# Altium PCB GND_Studio_PCB.PcbDoc (part 2 of 2)
Units mm, origin at the board's own origin, x right, y up, seen from the top; angles counter-clockwise.
Board outline 152.4 x 101.6 mm, 2 copper layers (Top Layer, Bottom Layer); 74 components, 140 nets, 477 pads, 95 vias.
Unrouted connection lines stored in the file: 3.
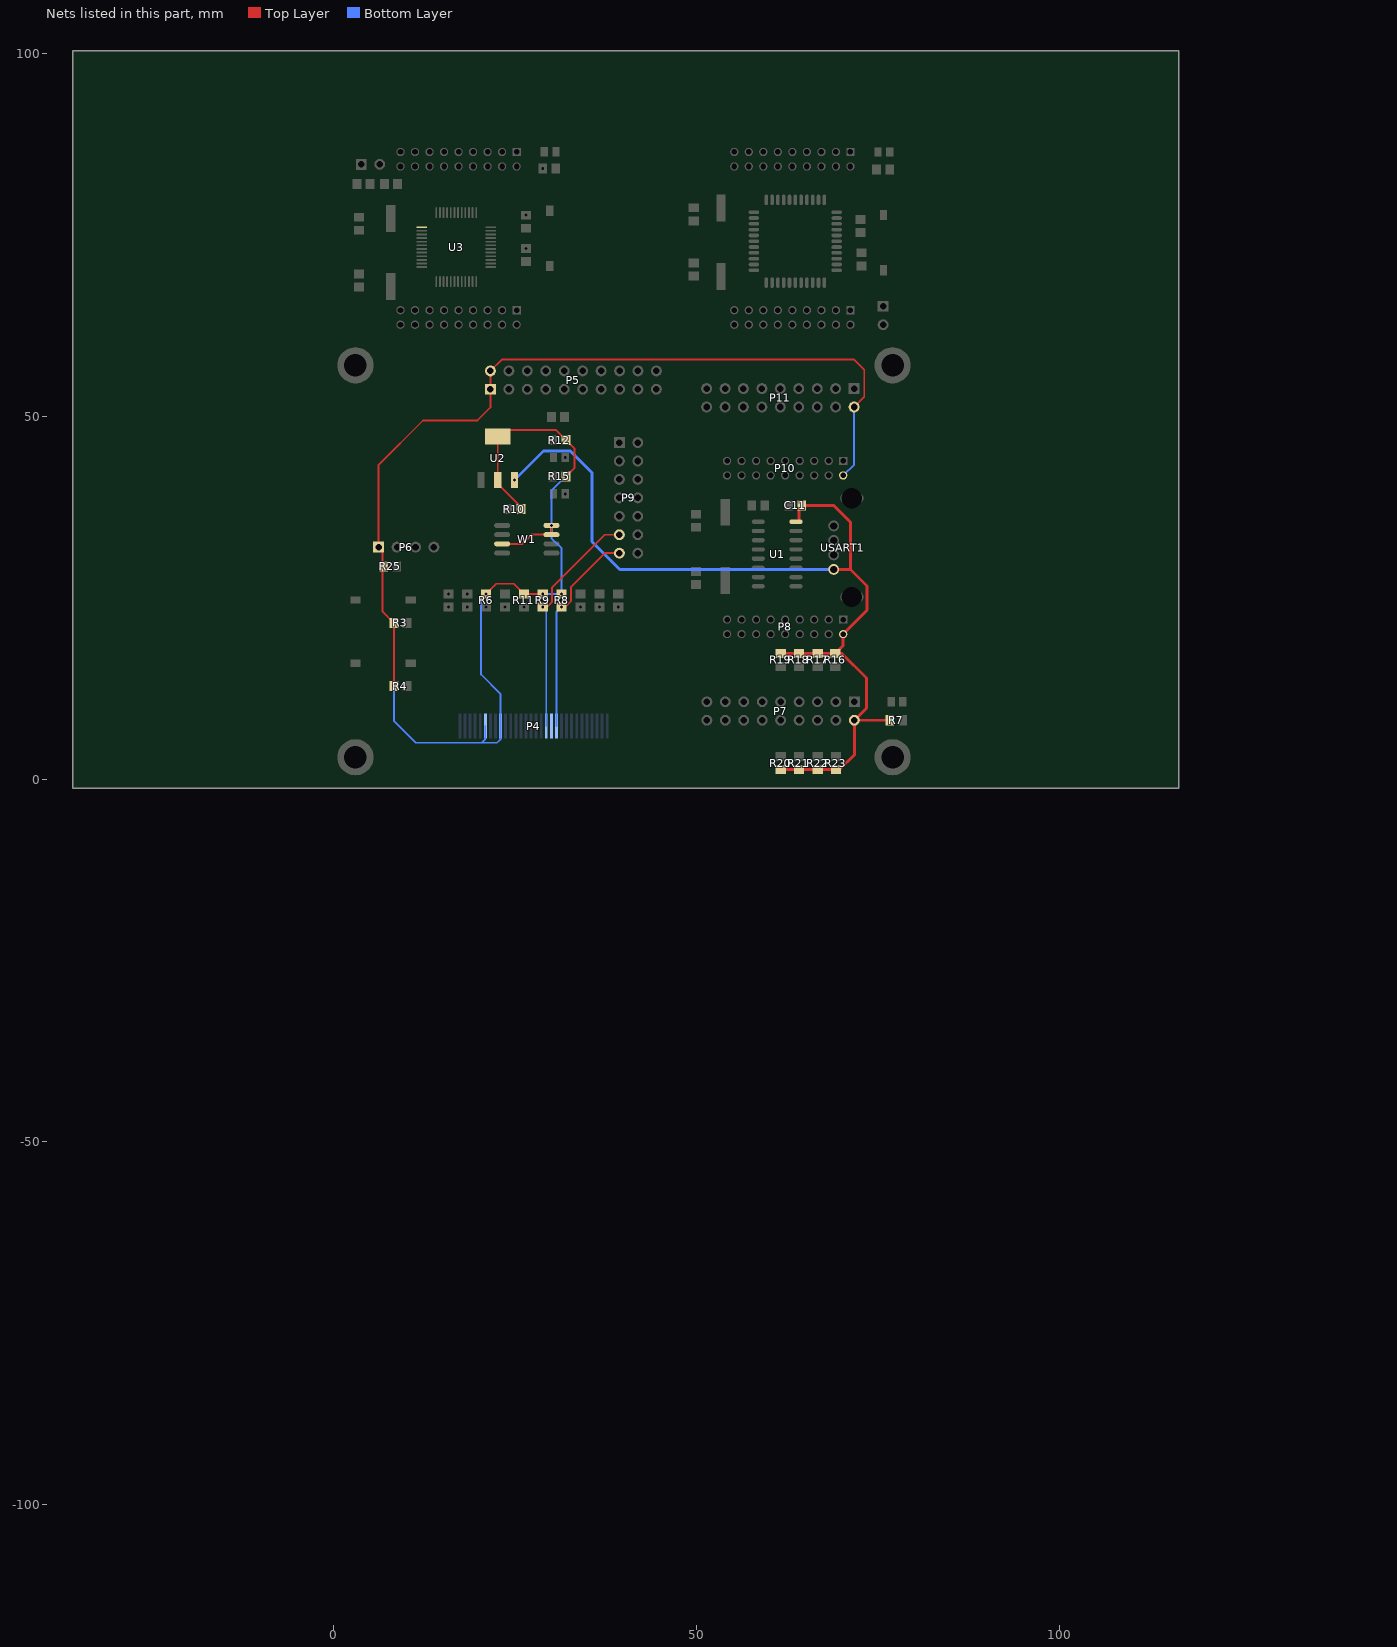
[diagram p2: the nets of this part, all layers, seen from the top]

## Via types
v1: diameter 0.5, hole 0.4, Top Layer to Bottom Layer, 95 vias

## Nets (pads, with @x,y where several pads share a name; then routed paths per layer and width w, separated by ;. In a path a pad name is that pad's centre, name@x,y a point inside that pad or via, vN(x,y) a via of type N, cw(c..) or ccw(c..) an arc to the next point about the centre after c; other vN are vias at no path point) (continued)
SCL: P4.18 P9.11 pad.7 R9.1 | length 32.5
  Top Layer w0.254: pad.7@28.8,23.7 29.4,23.7 30.1,24.4 30.1,26.4 37.36,33.66 P9.11@39.36,33.66
  Bottom Layer w0.254: pad.7@28.8,23.7 29.29,23.21 P4.18@29.29,7.3
SDA: P4.19 P4.20 P9.13 pad.8 R8.1 | length 28.9
  Top Layer w0.254: pad.8@31.4,23.7 31.873,23.7 32.7,24.527 32.7,26.5 37.32,31.12 P9.13@39.36,31.12
  Bottom Layer w0.254: P4.20@30.69,7.3 30.69,22.99 pad.8@31.4,23.7
SYS_3V3: P4.6 P4.9 P5.1 P5.2 P6.1 P10.2 P11.2 pad.22 pad.23 pad.24 pad.26 pad.27 R3.2 R4.2 R6.1 R8.2 R9.2 R10.1 R11.1 R12.1 R15.1 R25.1 U2.2 W1.3 W1.7 W1.8 | length 233.3
  Top Layer w0.254: R25.1@6.75,29.15 6.7,29.2 6.7,29.3 6.7,29.5 6.7,31.443 P6.1@6.19,31.953 6.19,43.29 12.3,49.4 19.8,49.4 21.6,51.2 P5.1@21.6,53.7 P5.2@21.6,56.24 23.16,57.8 71.7,57.8 73.1,56.4 73.1,52.66 P11.2@71.7,51.26 ; R25.1@6.9,29.3 6.9,28.9 6.7,28.7 6.7,23.1 R3.2@8.3,21.5 pad.22@8.3,12.8 ; v1(21,25.5) 22.4,26.9 24.8,26.9 R11.1@26.2,25.5 pad.24@28.8,25.5 ; U2.2@22.6,46.7 U2.2@22.6,41.2 22.6,40.7 25.8,37.5 R10.1@25.8,37.2 ; U2.2@22.6,48.1 30.6,48.1 R12.1@32,46.7 33.2,45.5 33.2,42.9 pad.27@32,41.7 ; W1.3@23.2,32.4 26,32.4 27.27,33.67 W1.7@30,33.67 pad.26@30,34.94
  Bottom Layer w0.254: pad.22@8.3,12.8 8.3,8 11.3,5 20.38,5 ; P4.6@20.89,7.3 20.89,5.51 20.38,5 ; v1(21,25.5) 20.3,24.8 20.3,14.4 22.99,11.71 P4.9@22.99,7.3 22.99,5.49 22.5,5 20.38,5 ; pad.24@28.8,25.5 pad.23@31.4,25.5 31.4,31.8 30,33.2 pad.26@30,34.94 30,39.7 pad.27@32,41.7 ; P10.2@70.2,41.831 71.7,43.331 P11.2@71.7,51.26
SYS_5V: C11.2 P7.2 P8.2 pad.29 R7.1 R16.2 R17.2 R18.2 R19.2 R20.2 R21.2 R22.2 R23.2 U1.16 U2.3 USART1.1 | length 132
  Top Layer w0.4: R20.2@61.6,1.3 R21.2@64.1,1.3 R22.2@66.7,1.3 R23.2@69.2,1.3 69.7,1.3 71.74,3.34 P7.2@71.74,8.1 ; R19.2@61.6,17.3 R18.2@64.1,17.3 R17.2@66.7,17.3 R16.2@69.1,17.3 ; U1.16@63.7,35.445 64.1,35.445 64.1,37.3 C11.2@64.5,37.7 68.9,37.7 71.223,35.377 71.223,28.877 ; USART1.1@68.89,28.877 71.223,28.877 ; R7.1@76.6,8.1 P7.2@71.74,8.1 ; R16.2@69.1,17.3 70,17.3 73.4,13.9 73.4,9.76 P7.2@71.74,8.1 ; R16.2@69.1,17.3 70.2,18.4 P8.2@70.2,19.968 73.5,23.268 73.5,26.6 71.223,28.877
  Bottom Layer w0.4: pad.29@24.9,41.2 28.9,45.2 32.6,45.2 35.6,42.2 35.6,32.7 39.423,28.877 USART1.1@68.89,28.877
VBAT: U3.1
pads on no net: P4.7 P5.11 P5.17 P5.19 P6.3 stc1.6 stc1.17 stc1.26 stc1.27 stc1.28 stc1.29 stc1.39 U1.9 U1.10 U1.11 U1.12 U1.13 U1.14 U1.15
copper on no net: | length 434
  Top Layer w0.025: 3.463,63.388 3.692,63.388 ; 3.463,63.414 3.717,63.414 ; 3.463,63.439 3.742,63.439 ; 3.463,63.465 3.768,63.465 ; 3.463,65.039 3.717,65.039 ; 3.463,65.065 3.742,65.065 ; 3.463,65.09 3.768,65.09 ; 3.463,65.116 3.793,65.116 ; 3.488,63.363 3.666,63.363 ; 3.488,63.49 3.793,63.49 ; 3.488,63.515 3.819,63.515 ; 3.488,64.227 3.717,64.227 ; 3.488,64.252 3.742,64.252 ; 3.488,64.277 3.768,64.277 ; 3.488,64.303 3.793,64.303 ; 3.488,64.989 3.666,64.989 ; 3.488,65.014 3.692,65.014 ; 3.488,65.141 3.819,65.141 ; 3.514,63.338 3.615,63.338 ; 3.514,63.541 3.844,63.541 ; 3.514,64.201 3.692,64.201 ; 3.514,64.328 3.819,64.328 ; 3.514,64.354 3.844,64.354 ; 3.514,65.166 3.844,65.166 ; 3.539,63.566 3.869,63.566 ; 3.539,64.176 3.641,64.176 ; 3.539,64.379 3.869,64.379 ; 3.539,64.963 3.615,64.963 ; 3.539,65.192 3.869,65.192 ; 3.565,63.592 3.895,63.592 ; 3.565,64.404 3.895,64.404 ; 3.565,65.217 3.895,65.217 ; 3.59,63.617 3.92,63.617 ; 3.59,64.43 3.92,64.43 ; 3.59,65.243 3.92,65.243 ; 3.615,63.642 3.946,63.642 ; 3.615,64.455 3.946,64.455 ; 3.615,65.268 3.946,65.268 ; 3.641,63.668 3.971,63.668 ; 3.641,64.481 3.971,64.481 ; 3.641,65.293 3.971,65.293 ; 3.666,63.693 3.996,63.693 ; 3.666,64.506 3.996,64.506 ; 3.666,65.319 3.971,65.319 ; 3.692,63.719 4.022,63.719 ; 3.692,64.531 4.022,64.531 ; 3.692,65.344 3.996,65.344 ; 3.717,63.744 4.047,63.744 ; 3.717,64.557 4.047,64.557 ; 3.717,65.37 3.996,65.37 ; 3.742,63.769 4.073,63.769 ; 3.742,64.582 4.073,64.582 ; 3.742,65.395 3.996,65.395 ; 3.768,63.795 4.098,63.795 ; 3.768,64.608 4.098,64.608 ; 3.768,65.42 3.971,65.42 ; 3.793,63.82 4.123,63.82 ; 3.793,64.633 4.123,64.633 ; 3.793,65.446 3.971,65.446 ; 3.819,63.846 4.149,63.846 ; 3.819,64.658 4.149,64.658 ; 3.819,65.471 3.92,65.471 ; 3.844,63.871 4.174,63.871 ; 3.844,64.684 4.174,64.684 ; 3.869,63.896 4.2,63.896 ; 3.869,64.709 4.2,64.709 ; 3.895,63.922 4.225,63.922 ; 3.895,64.735 4.225,64.735 ; 3.92,63.947 4.25,63.947 ; 3.92,64.76 4.25,64.76 ; 3.946,63.973 4.276,63.973 ; 3.946,64.785 4.276,64.785 ; 3.971,63.998 4.301,63.998 ; 3.971,64.811 4.301,64.811 ; 3.996,64.023 4.327,64.023 ; 3.996,64.836 4.327,64.836 ; 4.022,64.049 4.352,64.049 ; 4.022,64.862 4.352,64.862 ; 4.047,64.074 4.377,64.074 ; 4.047,64.887 4.377,64.887 ; 4.073,64.1 4.403,64.1 ; 4.073,64.912 4.403,64.912 ; 4.098,64.125 4.428,64.125 ; 4.098,64.938 4.428,64.938 ; 4.123,64.15 4.454,64.15 ; 4.123,64.963 4.454,64.963 ; 4.149,64.176 4.479,64.176 ; 4.149,64.989 4.479,64.989 ; 4.174,64.201 4.504,64.201 ; 4.174,65.014 4.504,65.014 ; 4.2,64.227 4.53,64.227 ; 4.2,65.039 4.53,65.039 ; 4.225,64.252 4.86,64.252 ; 4.225,65.065 4.555,65.065 ; 4.25,64.277 4.835,64.277 ; 4.25,65.09 4.581,65.09 ; 4.276,64.303 4.809,64.303 ; 4.276,65.116 4.606,65.116 ; 4.301,64.328 4.784,64.328 ; 4.301,65.141 4.631,65.141 ; 4.327,64.354 4.758,64.354 ; 4.327,65.166 4.657,65.166 ; 4.352,64.379 4.733,64.379 ; 4.352,65.192 4.682,65.192 ; 4.377,64.404 4.708,64.404 ; 4.377,65.217 4.708,65.217 ; 4.403,64.43 4.733,64.43 ; 4.403,65.243 4.733,65.243 ; 4.428,64.455 4.758,64.455 ; 4.428,65.268 4.758,65.268 ; 4.454,64.481 4.784,64.481 ; 4.454,65.293 4.758,65.293 ; 4.479,64.506 4.809,64.506 ; 4.479,65.319 4.784,65.319 ; 4.504,64.531 4.835,64.531 ; 4.504,65.344 4.784,65.344 ; 4.53,64.557 4.86,64.557 ; 4.53,65.37 4.784,65.37 ; 4.555,64.227 4.885,64.227 ; 4.555,64.582 4.885,64.582 ; 4.555,65.395 4.784,65.395 ; 4.581,64.201 4.911,64.201 ; 4.581,64.608 4.911,64.608 ; 4.581,65.42 4.758,65.42 ; 4.606,64.176 4.936,64.176 ; 4.606,64.633 4.936,64.633 ; 4.631,64.15 4.962,64.15 ; 4.631,64.658 4.962,64.658 ; 4.631,65.446 4.733,65.446 ; 4.657,64.125 4.987,64.125 ; 4.657,64.684 4.987,64.684 ; 4.682,64.1 5.012,64.1 ; 4.682,64.709 5.012,64.709 ; 4.708,64.074 5.038,64.074 ; 4.708,64.735 5.038,64.735 ; 4.733,64.049 5.063,64.049 ; 4.733,64.76 5.063,64.76 ; 4.758,64.023 5.089,64.023 ; 4.758,64.785 5.089,64.785 ; 4.784,63.998 5.114,63.998 ; 4.784,64.811 5.114,64.811 ; 4.809,63.973 5.139,63.973 ; 4.809,64.836 5.139,64.836 ; 4.835,63.947 5.165,63.947 ; 4.835,64.862 5.165,64.862 ; 4.86,63.922 5.19,63.922 ; 4.86,64.887 5.19,64.887 ; 4.885,63.896 5.216,63.896 ; 4.885,64.912 5.216,64.912 ; 4.911,63.871 5.241,63.871 ; 4.911,64.938 5.241,64.938 ; 4.936,63.846 5.266,63.846 ; 4.936,64.963 5.266,64.963 ; 4.962,63.82 5.292,63.82 ; 4.962,64.989 5.292,64.989 ; 4.987,63.795 5.317,63.795 ; 4.987,65.014 5.317,65.014 ; 5.012,63.769 5.343,63.769 ; 5.012,65.039 5.343,65.039 ; 5.038,63.744 5.368,63.744 ; 5.038,65.065 5.368,65.065 ; 5.063,63.719 5.393,63.719 ; 5.063,65.09 5.393,65.09 ; 5.089,63.693 5.419,63.693 ; 5.089,65.116 5.419,65.116 ; 5.114,63.668 5.444,63.668 ; 5.114,65.141 5.444,65.141 ; 5.139,63.642 5.47,63.642 ; 5.139,65.166 5.47,65.166 ; 5.165,63.617 5.495,63.617 ; 5.165,65.192 5.495,65.192 ; 5.19,63.592 5.52,63.592 ; 5.19,65.217 5.52,65.217 ; 5.216,63.566 5.546,63.566 ; 5.216,65.243 5.546,65.243 ; 5.241,63.541 5.571,63.541 ; 5.241,65.268 5.571,65.268 ; 5.266,63.515 5.597,63.515 ; 5.266,65.293 5.597,65.293 ; 5.292,63.49 5.597,63.49 ; 5.292,65.319 5.597,65.319 ; 5.317,63.465 5.622,63.465 ; 5.317,65.344 5.622,65.344 ; 5.343,63.439 5.622,63.439 ; 5.343,65.37 5.622,65.37 ; 5.368,63.414 5.622,63.414 ; 5.368,65.395 5.622,65.395 ; 5.393,63.388 5.597,63.388 ; 5.393,65.42 5.622,65.42 ; 5.419,63.363 5.597,63.363 ; 5.419,65.446 5.597,65.446 ; 5.47,63.338 5.546,63.338 ; 5.47,65.471 5.571,65.471 ; 5.851,63.338 6.257,63.338 ; 5.851,63.642 5.901,63.642 ; 5.851,63.668 5.901,63.668 ; 5.851,63.693 6.232,63.693 ; 5.851,63.998 5.876,63.998 ; 5.851,64.023 5.952,64.023 ; 5.851,64.303 6.257,64.303 ; 5.876,64.049 5.952,64.049 ; 5.876,64.074 5.952,64.074 ; 5.876,64.684 6.232,64.684 ; 5.876,64.862 5.927,64.862 ; 5.876,64.887 5.927,64.887 ; 5.876,64.912 5.927,64.912 ; 5.876,64.938 6.282,64.938 ; 5.876,64.963 6.282,64.963 ; 5.876,65.065 6.257,65.065 ; 5.876,65.09 6.282,65.09 ; 5.876,65.217 6.282,65.217 ; 5.876,65.344 6.105,65.344 ; 5.876,65.37 5.927,65.37 ; 5.876,65.395 5.927,65.395 ; 5.876,65.42 5.927,65.42 ; 5.876,65.446 5.927,65.446 ; 5.876,65.471 6.282,65.471 ; 5.901,63.439 6.206,63.439 ; 5.901,63.515 6.206,63.515 ; 5.901,63.617 6.181,63.617 ; 5.901,63.795 5.952,63.795 ; 5.901,63.82 5.952,63.82 ; 5.901,63.846 5.952,63.846 ; 5.901,63.871 5.952,63.871 ; 5.901,63.896 5.952,63.896 ; 5.901,63.922 5.952,63.922 ; 5.901,63.947 5.952,63.947 ; 5.901,63.973 5.952,63.973 ; 5.901,63.998 5.952,63.998 ; 5.901,64.1 5.952,64.1 ; 5.901,64.125 5.952,64.125 ; 5.901,64.15 5.952,64.15 ; 5.901,64.836 5.952,64.836 ; 5.901,65.243 6.282,65.243 ; 5.901,65.319 6.079,65.319 ; 5.901,65.497 6.257,65.497 ; 5.927,63.541 5.978,63.541 ; 5.927,64.176 5.978,64.176 ; 5.927,64.201 5.978,64.201 ; 5.927,64.227 5.978,64.227 ; 5.927,64.811 6.257,64.811 ; 5.927,65.116 6.054,65.116 ; 5.952,63.566 6.003,63.566 ; 5.952,64.785 6.232,64.785 ; 5.978,63.592 6.028,63.592 ; 5.978,64.049 6.003,64.049 ; 5.978,64.074 6.003,64.074 ; 5.978,64.1 6.028,64.1 ; 6.003,64.125 6.028,64.125 ; 6.003,64.15 6.257,64.15 ; 6.003,65.141 6.105,65.141 ; 6.028,63.363 6.079,63.363 ; 6.028,63.388 6.079,63.388 ; 6.028,63.414 6.079,63.414 ; 6.028,63.465 6.079,63.465 ; 6.028,63.49 6.079,63.49 ; 6.028,63.744 6.079,63.744 ; 6.028,63.769 6.054,63.769 ; 6.028,64.176 6.054,64.176 ; 6.028,64.201 6.079,64.201 ; 6.028,64.227 6.079,64.227 ; 6.028,64.328 6.079,64.328 ; 6.028,64.354 6.079,64.354 ; 6.028,64.379 6.079,64.379 ; 6.028,64.404 6.079,64.404 ; 6.028,64.43 6.079,64.43 ; 6.028,64.455 6.079,64.455 ; 6.028,64.481 6.079,64.481 ; 6.028,64.506 6.079,64.506 ; 6.028,64.531 6.079,64.531 ; 6.028,64.557 6.079,64.557 ; 6.028,64.582 6.079,64.582 ; 6.028,64.608 6.079,64.608 ; 6.028,64.633 6.079,64.633 ; 6.028,64.658 6.079,64.658 ; 6.054,63.719 6.079,63.719 ; 6.054,63.82 6.105,63.82 ; 6.054,63.846 6.105,63.846 ; 6.054,63.871 6.105,63.871 ; 6.054,63.896 6.105,63.896 ; 6.054,63.922 6.257,63.922 ; 6.054,63.947 6.105,63.947 ; 6.054,63.973 6.105,63.973 ; 6.054,63.998 6.105,63.998 ; 6.054,64.023 6.105,64.023 ; 6.054,64.049 6.232,64.049 ; 6.054,64.074 6.105,64.074 ; 6.054,64.1 6.105,64.1 ; 6.054,64.125 6.105,64.125 ; 6.054,65.166 6.181,65.166 ; 6.054,65.37 6.105,65.37 ; 6.054,65.395 6.105,65.395 ; 6.079,63.795 6.105,63.795 ; 6.105,63.566 6.155,63.566 ; 6.105,63.592 6.13,63.592 ; 6.13,63.541 6.181,63.541 ; 6.13,65.192 6.257,65.192 ; 6.155,65.319 6.257,65.319 ; 6.155,65.344 6.282,65.344 ; 6.181,63.49 6.206,63.49 ; 6.206,63.642 6.232,63.642 ; 6.206,63.668 6.232,63.668 ; 6.232,64.836 6.282,64.836 ; 6.232,64.862 6.282,64.862 ; 6.232,64.887 6.282,64.887 ; 6.232,64.912 6.282,64.912 ; 6.232,65.37 6.282,65.37 ; 6.232,65.395 6.282,65.395 ; 6.232,65.42 6.282,65.42 ; 6.232,65.446 6.282,65.446 ; 49.53,63.459 49.759,63.459 ; 49.53,63.484 49.784,63.484 ; 49.53,63.509 49.809,63.509 ; 49.53,63.535 49.835,63.535 ; 49.53,65.11 49.784,65.11 ; 49.53,65.135 49.809,65.135 ; 49.53,65.16 49.835,65.16 ; 49.53,65.186 49.86,65.186 ; 49.555,63.433 49.733,63.433 ; 49.555,63.56 49.86,63.56 ; 49.555,63.586 49.886,63.586 ; 49.555,64.297 49.784,64.297 ; 49.555,64.322 49.809,64.322 ; 49.555,64.348 49.835,64.348 ; 49.555,64.373 49.86,64.373 ; 49.555,65.059 49.733,65.059 ; 49.555,65.084 49.759,65.084 ; 49.555,65.211 49.886,65.211 ; 49.581,63.408 49.682,63.408 ; 49.581,63.611 49.911,63.611 ; 49.581,64.271 49.759,64.271 ; 49.581,64.398 49.886,64.398 ; 49.581,64.424 49.911,64.424 ; 49.581,65.237 49.911,65.237 ; 49.606,63.636 49.936,63.636 ; 49.606,64.246 49.708,64.246 ; 49.606,64.449 49.936,64.449 ; 49.606,65.033 49.682,65.033 ; 49.606,65.262 49.936,65.262 ; 49.632,63.662 49.962,63.662 ; 49.632,64.475 49.962,64.475 ; 49.632,65.287 49.962,65.287 ; 49.657,63.687 49.987,63.687 ; 49.657,64.5 49.987,64.5 ; 49.657,65.313 49.987,65.313 ; 49.682,63.713 50.013,63.713 ; 49.682,64.525 50.013,64.525 ; 49.682,65.338 50.013,65.338 ; 49.708,63.738 50.038,63.738 ; 49.708,64.551 50.038,64.551 ; 49.708,65.364 50.038,65.364 ; 49.733,63.763 50.063,63.763 ; 49.733,64.576 50.063,64.576 ; 49.733,65.389 50.038,65.389 ; 49.759,63.789 50.089,63.789 ; 49.759,64.602 50.089,64.602 ; 49.759,65.414 50.063,65.414 ; 49.784,63.814 50.114,63.814 ; 49.784,64.627 50.114,64.627 ; 49.784,65.44 50.063,65.44 ; 49.809,63.84 50.14,63.84 ; 49.809,64.652 50.14,64.652 ; 49.809,65.465 50.063,65.465 ; 49.835,63.865 50.165,63.865 ; 49.835,64.678 50.165,64.678 ; 49.835,65.491 50.038,65.491 ; 49.86,63.89 50.19,63.89 ; 49.86,64.703 50.19,64.703 ; 49.86,65.516 50.038,65.516 ; 49.886,63.916 50.216,63.916 ; 49.886,64.729 50.216,64.729 ; 49.886,65.541 49.987,65.541 ; 49.911,63.941 50.241,63.941 ; 49.911,64.754 50.241,64.754 ; 49.936,63.967 50.267,63.967 ; 49.936,64.779 50.267,64.779 ; 49.962,63.992 50.292,63.992 ; 49.962,64.805 50.292,64.805 ; 49.987,64.017 50.317,64.017 ; 49.987,64.83 50.317,64.83 ; 50.013,64.043 50.343,64.043 ; 50.013,64.856 50.343,64.856 ; 50.038,64.068 50.368,64.068 ; 50.038,64.881 50.368,64.881 ; 50.063,64.094 50.394,64.094 ; 50.063,64.906 50.394,64.906 ; 50.089,64.119 50.419,64.119 ; 50.089,64.932 50.419,64.932 ; 50.114,64.144 50.444,64.144 ; 50.114,64.957 50.444,64.957 ; 50.14,64.17 50.47,64.17 ; 50.14,64.983 50.47,64.983 ; 50.165,64.195 50.495,64.195 ; 50.165,65.008 50.495,65.008 ; 50.19,64.221 50.521,64.221 ; 50.19,65.033 50.521,65.033 ; 50.216,64.246 50.546,64.246 ; 50.216,65.059 50.546,65.059 ; 50.241,64.271 50.571,64.271 ; 50.241,65.084 50.571,65.084 ; 50.267,64.297 50.597,64.297 ; 50.267,65.11 50.597,65.11 ; 50.292,64.322 50.927,64.322 ; 50.292,65.135 50.622,65.135 ; 50.317,64.348 50.902,64.348 ; 50.317,65.16 50.648,65.16 ; 50.343,64.373 50.876,64.373 ; 50.343,65.186 50.673,65.186 ; 50.368,64.398 50.851,64.398 ; 50.368,65.211 50.698,65.211 ; 50.394,64.424 50.825,64.424 ; 50.394,65.237 50.724,65.237 ; 50.419,64.449 50.8,64.449 ; 50.419,65.262 50.749,65.262 ; 50.444,64.475 50.775,64.475 ; 50.444,65.287 50.775,65.287 ; 50.47,64.5 50.8,64.5 ; 50.47,65.313 50.8,65.313 ; 50.495,64.525 50.825,64.525 ; 50.495,65.338 50.825,65.338 ; 50.521,64.551 50.851,64.551 ; 50.521,65.364 50.825,65.364 ; 50.546,64.576 50.876,64.576 ; 50.546,65.389 50.851,65.389 ; 50.571,64.602 50.902,64.602 ; 50.571,65.414 50.851,65.414 ; 50.597,64.627 50.927,64.627 ; 50.597,65.44 50.851,65.44 ; 50.622,64.297 50.952,64.297 ; 50.622,64.652 50.952,64.652 ; 50.622,65.465 50.851,65.465 ; 50.648,64.271 50.978,64.271 ; 50.648,64.678 50.978,64.678 ; 50.648,65.491 50.825,65.491 ; 50.673,64.246 51.003,64.246 ; 50.673,64.703 51.003,64.703 ; 50.698,64.221 51.029,64.221 ; 50.698,64.729 51.029,64.729 ; 50.698,65.516 50.8,65.516 ; 50.724,64.195 51.054,64.195 ; 50.724,64.754 51.054,64.754 ; 50.749,64.17 51.079,64.17 ; 50.749,64.779 51.079,64.779 ; 50.775,64.144 51.105,64.144 ; 50.775,64.805 51.105,64.805 ; 50.8,64.119 51.13,64.119 ; 50.8,64.83 51.13,64.83 ; 50.825,64.094 51.156,64.094 ; 50.825,64.856 51.156,64.856 ; 50.851,64.068 51.181,64.068 ; 50.851,64.881 51.181,64.881 ; 50.876,64.043 51.206,64.043 ; 50.876,64.906 51.206,64.906 ; 50.902,64.017 51.232,64.017 ; 50.902,64.932 51.232,64.932 ; 50.927,63.992 51.257,63.992 ; 50.927,64.957 51.257,64.957 ; 50.952,63.967 51.283,63.967 ; 50.952,64.983 51.283,64.983 ; 50.978,63.941 51.308,63.941 ; 50.978,65.008 51.308,65.008 ; 51.003,63.916 51.333,63.916 ; 51.003,65.033 51.333,65.033 ; 51.029,63.89 51.359,63.89 ; 51.029,65.059 51.359,65.059 ; 51.054,63.865 51.384,63.865 ; 51.054,65.084 51.384,65.084 ; 51.079,63.84 51.41,63.84 ; 51.079,65.11 51.41,65.11 ; 51.105,63.814 51.435,63.814 ; 51.105,65.135 51.435,65.135 ; 51.13,63.789 51.46,63.789 ; 51.13,65.16 51.46,65.16 ; 51.156,63.763 51.486,63.763 ; 51.156,65.186 51.486,65.186 ; 51.181,63.738 51.511,63.738 ; 51.181,65.211 51.511,65.211 ; 51.206,63.713 51.537,63.713 ; 51.206,65.237 51.537,65.237 ; 51.232,63.687 51.562,63.687 ; 51.232,65.262 51.562,65.262 ; 51.257,63.662 51.587,63.662 ; 51.257,65.287 51.587,65.287 ; 51.283,63.636 51.613,63.636 ; 51.283,65.313 51.613,65.313 ; 51.308,63.611 51.638,63.611 ; 51.308,65.338 51.638,65.338 ; 51.333,63.586 51.664,63.586 ; 51.333,65.364 51.664,65.364 ; 51.359,63.56 51.664,63.56 ; 51.359,65.389 51.664,65.389 ; 51.384,63.535 51.689,63.535 ; 51.384,65.414 51.689,65.414 ; 51.41,63.509 51.689,63.509 ; 51.41,65.44 51.689,65.44 ; 51.435,63.484 51.689,63.484 ; 51.435,65.465 51.689,65.465 ; 51.46,63.459 51.664,63.459 ; 51.46,65.491 51.689,65.491 ; 51.486,63.433 51.664,63.433 ; 51.486,65.516 51.664,65.516 ; 51.537,63.408 51.613,63.408 ; 51.537,65.541 51.638,65.541 ; 51.918,63.408 52.324,63.408 ; 51.918,63.713 51.968,63.713 ; 51.918,63.738 51.968,63.738 ; 51.918,63.763 52.299,63.763 ; 51.918,64.068 51.943,64.068 ; 51.918,64.094 52.019,64.094 ; 51.918,64.373 52.324,64.373 ; 51.943,64.119 52.019,64.119 ; 51.943,64.144 52.019,64.144 ; 51.943,64.754 52.299,64.754 ; 51.943,64.932 51.994,64.932 ; 51.943,64.957 51.994,64.957 ; 51.943,64.983 51.994,64.983 ; 51.943,65.008 52.349,65.008 ; 51.943,65.033 52.349,65.033 ; 51.943,65.135 52.324,65.135 ; 51.943,65.16 52.349,65.16 ; 51.943,65.287 52.349,65.287 ; 51.943,65.414 52.172,65.414 ; 51.943,65.44 51.994,65.44 ; 51.943,65.465 51.994,65.465 ; 51.943,65.491 51.994,65.491 ; 51.943,65.516 51.994,65.516 ; 51.943,65.541 52.349,65.541 ; 51.968,63.509 52.273,63.509 ; 51.968,63.586 52.273,63.586 ; 51.968,63.687 52.248,63.687 ; 51.968,63.865 52.019,63.865 ; 51.968,63.89 52.019,63.89 ; 51.968,63.916 52.019,63.916 ; 51.968,63.941 52.019,63.941 ; 51.968,63.967 52.019,63.967 ; 51.968,63.992 52.019,63.992 ; 51.968,64.017 52.019,64.017 ; 51.968,64.043 52.019,64.043 ; 51.968,64.068 52.019,64.068 ; 51.968,64.17 52.019,64.17 ; 51.968,64.195 52.019,64.195 ; 51.968,64.221 52.019,64.221 ; 51.968,64.906 52.019,64.906 ; 51.968,65.313 52.349,65.313 ; 51.968,65.389 52.146,65.389 ; 51.968,65.567 52.324,65.567 ; 51.994,63.611 52.045,63.611 ; 51.994,64.246 52.045,64.246 ; 51.994,64.271 52.045,64.271 ; 51.994,64.297 52.045,64.297 ; 51.994,64.881 52.324,64.881 ; 51.994,65.186 52.121,65.186 ; 52.019,63.636 52.07,63.636 ; 52.019,64.856 52.299,64.856 ; 52.045,63.662 52.095,63.662 ; 52.045,64.119 52.07,64.119 ; 52.045,64.144 52.07,64.144 ; 52.045,64.17 52.095,64.17 ; 52.07,64.195 52.095,64.195 ; 52.07,64.221 52.324,64.221 ; 52.07,65.211 52.172,65.211 ; 52.095,63.433 52.146,63.433 ; 52.095,63.459 52.146,63.459 ; 52.095,63.484 52.146,63.484 ; 52.095,63.535 52.146,63.535 ; 52.095,63.56 52.146,63.56 ; 52.095,63.814 52.146,63.814 ; 52.095,63.84 52.121,63.84 ; 52.095,64.246 52.121,64.246 ; 52.095,64.271 52.146,64.271 ; 52.095,64.297 52.146,64.297 ; 52.095,64.398 52.146,64.398 ; 52.095,64.424 52.146,64.424 ; 52.095,64.449 52.146,64.449 ; 52.095,64.475 52.146,64.475 ; 52.095,64.5 52.146,64.5 ; 52.095,64.525 52.146,64.525 ; 52.095,64.551 52.146,64.551 ; 52.095,64.576 52.146,64.576 ; 52.095,64.602 52.146,64.602 ; 52.095,64.627 52.146,64.627 ; 52.095,64.652 52.146,64.652 ; 52.095,64.678 52.146,64.678 ; 52.095,64.703 52.146,64.703 ; 52.095,64.729 52.146,64.729 ; 52.121,63.789 52.146,63.789 ; 52.121,63.89 52.172,63.89 ; 52.121,63.916 52.172,63.916 ; 52.121,63.941 52.172,63.941 ; 52.121,63.967 52.172,63.967 ; 52.121,63.992 52.324,63.992 ; 52.121,64.017 52.172,64.017 ; 52.121,64.043 52.172,64.043 ; 52.121,64.068 52.172,64.068 ; 52.121,64.094 52.172,64.094 ; 52.121,64.119 52.299,64.119 ; 52.121,64.144 52.172,64.144 ; 52.121,64.17 52.172,64.17 ; 52.121,64.195 52.172,64.195 ; 52.121,65.237 52.248,65.237 ; 52.121,65.44 52.172,65.44 ; 52.121,65.465 52.172,65.465 ; 52.146,63.865 52.172,63.865 ; 52.172,63.636 52.222,63.636 ; 52.172,63.662 52.197,63.662 ; 52.197,63.611 52.248,63.611 ; 52.197,65.262 52.324,65.262 ; 52.222,65.389 52.324,65.389 ; 52.222,65.414 52.349,65.414 ; 52.248,63.56 52.273,63.56 ; 52.273,63.713 52.299,63.713 ; 52.273,63.738 52.299,63.738 ; 52.299,64.906 52.349,64.906 ; 52.299,64.932 52.349,64.932 ; 52.299,64.957 52.349,64.957 ; 52.299,64.983 52.349,64.983 ; 52.299,65.44 52.349,65.44 ; 52.299,65.465 52.349,65.465 ; 52.299,65.491 52.349,65.491 ; 52.299,65.516 52.349,65.516
  Top Layer w0.102: 7.015,50.368 7.93,50.368 ; 7.015,50.47 8.031,50.47 ; 7.015,50.571 8.133,50.571 ; 7.015,50.673 8.234,50.673 ; 7.015,56.972 8.031,56.972 ; 7.015,57.074 8.133,57.074 ; 7.015,57.175 8.234,57.175 ; 7.015,57.277 8.336,57.277 ; 7.117,50.266 7.828,50.266 ; 7.117,50.774 8.336,50.774 ; 7.117,50.876 8.438,50.876 ; 7.117,53.721 8.031,53.721 ; 7.117,53.822 8.133,53.822 ; 7.117,53.924 8.234,53.924 ; 7.117,54.026 8.336,54.026 ; 7.117,56.769 7.828,56.769 ; 7.117,56.87 7.93,56.87 ; 7.117,57.378 8.438,57.378 ; 7.218,50.165 7.625,50.165 ; 7.218,50.978 8.539,50.978 ; 7.218,53.619 7.93,53.619 ; 7.218,54.127 8.438,54.127 ; 7.218,54.229 8.539,54.229 ; 7.218,57.48 8.539,57.48 ; 7.32,51.079 8.641,51.079 ; 7.32,53.518 7.726,53.518 ; 7.32,54.33 8.641,54.33 ; 7.32,56.667 7.625,56.667 ; 7.32,57.582 8.641,57.582 ; 7.422,51.181 8.742,51.181 ; 7.422,54.432 8.742,54.432 ; 7.422,57.683 8.742,57.683 ; 7.523,51.282 8.844,51.282 ; 7.523,54.534 8.844,54.534 ; 7.523,57.785 8.844,57.785 ; 7.625,51.384 8.946,51.384 ; 7.625,54.635 8.946,54.635 ; 7.625,57.886 8.946,57.886 ; 7.726,51.486 9.047,51.486 ; 7.726,54.737 9.047,54.737 ; 7.726,57.988 9.047,57.988 ; 7.828,51.587 9.149,51.587 ; 7.828,54.838 9.149,54.838 ; 7.828,58.09 9.047,58.09 ; 7.93,51.689 9.25,51.689 ; 7.93,54.94 9.25,54.94 ; 7.93,58.191 9.149,58.191 ; 8.031,51.79 9.352,51.79 ; 8.031,55.042 9.352,55.042 ; 8.031,58.293 9.149,58.293 ; 8.133,51.892 9.454,51.892 ; 8.133,55.143 9.454,55.143 ; 8.133,58.394 9.149,58.394 ; 8.234,51.994 9.555,51.994 ; 8.234,55.245 9.555,55.245 ; 8.234,58.496 9.047,58.496 ; 8.336,52.095 9.657,52.095 ; 8.336,55.346 9.657,55.346 ; 8.336,58.598 9.047,58.598 ; 8.438,52.197 9.758,52.197 ; 8.438,55.448 9.758,55.448 ; 8.438,58.699 8.844,58.699 ; 8.539,52.298 9.86,52.298 ; 8.539,55.55 9.86,55.55 ; 8.641,52.4 9.962,52.4 ; 8.641,55.651 9.962,55.651 ; 8.742,52.502 10.063,52.502 ; 8.742,55.753 10.063,55.753 ; 8.844,52.603 10.165,52.603 ; 8.844,55.854 10.165,55.854 ; 8.946,52.705 10.266,52.705 ; 8.946,55.956 10.266,55.956 ; 9.047,52.806 10.368,52.806 ; 9.047,56.058 10.368,56.058 ; 9.149,52.908 10.47,52.908 ; 9.149,56.159 10.47,56.159 ; 9.25,53.01 10.571,53.01 ; 9.25,56.261 10.571,56.261 ; 9.352,53.111 10.673,53.111 ; 9.352,56.362 10.673,56.362 ; 9.454,53.213 10.774,53.213 ; 9.454,56.464 10.774,56.464 ; 9.555,53.314 10.876,53.314 ; 9.555,56.566 10.876,56.566 ; 9.657,53.416 10.978,53.416 ; 9.657,56.667 10.978,56.667 ; 9.758,53.518 11.079,53.518 ; 9.758,56.769 11.079,56.769 ; 9.86,53.619 11.181,53.619 ; 9.86,56.87 11.181,56.87 ; 9.962,53.721 11.282,53.721 ; 9.962,56.972 11.282,56.972 ; 10.063,53.822 12.603,53.822 ; 10.063,57.074 11.384,57.074 ; 10.165,53.924 12.502,53.924 ; 10.165,57.175 11.486,57.175 ; 10.266,54.026 12.4,54.026 ; 10.266,57.277 11.587,57.277 ; 10.368,54.127 12.298,54.127 ; 10.368,57.378 11.689,57.378 ; 10.47,54.229 12.197,54.229 ; 10.47,57.48 11.79,57.48 ; 10.571,54.33 12.095,54.33 ; 10.571,57.582 11.892,57.582 ; 10.673,54.432 11.994,54.432 ; 10.673,57.683 11.994,57.683 ; 10.774,54.534 12.095,54.534 ; 10.774,57.785 12.095,57.785 ; 10.876,54.635 12.197,54.635 ; 10.876,57.886 12.197,57.886 ; 10.978,54.737 12.298,54.737 ; 10.978,57.988 12.197,57.988 ; 11.079,54.838 12.4,54.838 ; 11.079,58.09 12.298,58.09 ; 11.181,54.94 12.502,54.94 ; 11.181,58.191 12.298,58.191 ; 11.282,55.042 12.603,55.042 ; 11.282,58.293 12.298,58.293 ; 11.384,53.721 12.705,53.721 ; 11.384,55.143 12.705,55.143 ; 11.384,58.394 12.298,58.394 ; 11.486,53.619 12.806,53.619 ; 11.486,55.245 12.806,55.245 ; 11.486,58.496 12.197,58.496 ; 11.587,53.518 12.908,53.518 ; 11.587,55.346 12.908,55.346 ; 11.689,53.416 13.01,53.416 ; 11.689,55.448 13.01,55.448 ; 11.689,58.598 12.095,58.598 ; 11.79,53.314 13.111,53.314 ; 11.79,55.55 13.111,55.55 ; 11.892,53.213 13.213,53.213 ; 11.892,55.651 13.213,55.651 ; 11.994,53.111 13.314,53.111 ; 11.994,55.753 13.314,55.753 ; 12.095,53.01 13.416,53.01 ; 12.095,55.854 13.416,55.854 ; 12.197,52.908 13.518,52.908 ; 12.197,55.956 13.518,55.956 ; 12.298,52.806 13.619,52.806 ; 12.298,56.058 13.619,56.058 ; 12.4,52.705 13.721,52.705 ; 12.4,56.159 13.721,56.159 ; 12.502,52.603 13.822,52.603 ; 12.502,56.261 13.822,56.261 ; 12.603,52.502 13.924,52.502 ; 12.603,56.362 13.924,56.362 ; 12.705,52.4 14.026,52.4 ; 12.705,56.464 14.026,56.464 ; 12.806,52.298 14.127,52.298 ; 12.806,56.566 14.127,56.566 ; 12.908,52.197 14.229,52.197 ; 12.908,56.667 14.229,56.667 ; 13.01,52.095 14.33,52.095 ; 13.01,56.769 14.33,56.769 ; 13.111,51.994 14.432,51.994 ; 13.111,56.87 14.432,56.87 ; 13.213,51.892 14.534,51.892 ; 13.213,56.972 14.534,56.972 ; 13.314,51.79 14.635,51.79 ; 13.314,57.074 14.635,57.074 ; 13.416,51.689 14.737,51.689 ; 13.416,57.175 14.737,57.175 ; 13.518,51.587 14.838,51.587 ; 13.518,57.277 14.838,57.277 ; 13.619,51.486 14.94,51.486 ; 13.619,57.378 14.94,57.378 ; 13.721,51.384 15.042,51.384 ; 13.721,57.48 15.042,57.48 ; 13.822,51.282 15.143,51.282 ; 13.822,57.582 15.143,57.582 ; 13.924,51.181 15.245,51.181 ; 13.924,57.683 15.245,57.683 ; 14.026,51.079 15.346,51.079 ; 14.026,57.785 15.346,57.785 ; 14.127,50.978 15.448,50.978 ; 14.127,57.886 15.448,57.886 ; 14.229,50.876 15.55,50.876 ; 14.229,57.988 15.55,57.988 ; 14.33,50.774 15.55,50.774 ; 14.33,58.09 15.55,58.09 ; 14.432,50.673 15.651,50.673 ; 14.432,58.191 15.651,58.191 ; 14.534,50.571 15.651,50.571 ; 14.534,58.293 15.651,58.293 ; 14.635,50.47 15.651,50.47 ; 14.635,58.394 15.651,58.394 ; 14.737,50.368 15.55,50.368 ; 14.737,58.496 15.651,58.496 ; 14.838,50.266 15.55,50.266 ; 14.838,58.598 15.55,58.598 ; 15.042,50.165 15.346,50.165 ; 15.042,58.699 15.448,58.699 ; 16.566,50.165 18.191,50.165 ; 16.566,51.384 16.769,51.384 ; 16.566,51.486 16.769,51.486 ; 16.566,51.587 18.09,51.587 ; 16.566,52.806 16.667,52.806 ; 16.566,52.908 16.972,52.908 ; 16.566,54.026 18.191,54.026 ; 16.667,53.01 16.972,53.01 ; 16.667,53.111 16.972,53.111 ; 16.667,55.55 18.09,55.55 ; 16.667,56.261 16.87,56.261 ; 16.667,56.362 16.87,56.362 ; 16.667,56.464 16.87,56.464 ; 16.667,56.566 18.293,56.566 ; 16.667,56.667 18.293,56.667 ; 16.667,57.074 18.191,57.074 ; 16.667,57.175 18.293,57.175 ; 16.667,57.683 18.293,57.683 ; 16.667,58.191 17.582,58.191 ; 16.667,58.293 16.87,58.293 ; 16.667,58.394 16.87,58.394 ; 16.667,58.496 16.87,58.496 ; 16.667,58.598 16.87,58.598 ; 16.667,58.699 18.293,58.699 ; 16.769,50.571 17.988,50.571 ; 16.769,50.876 17.988,50.876 ; 16.769,51.282 17.886,51.282 ; 16.769,51.994 16.972,51.994 ; 16.769,52.095 16.972,52.095 ; 16.769,52.197 16.972,52.197 ; 16.769,52.298 16.972,52.298 ; 16.769,52.4 16.972,52.4 ; 16.769,52.502 16.972,52.502 ; 16.769,52.603 16.972,52.603 ; 16.769,52.705 16.972,52.705 ; 16.769,52.806 16.972,52.806 ; 16.769,53.213 16.972,53.213 ; 16.769,53.314 16.972,53.314 ; 16.769,53.416 16.972,53.416 ; 16.769,56.159 16.972,56.159 ; 16.769,57.785 18.293,57.785 ; 16.769,58.09 17.48,58.09 ; 16.769,58.801 18.191,58.801 ; 16.87,50.978 17.074,50.978 ; 16.87,53.518 17.074,53.518 ; 16.87,53.619 17.074,53.619 ; 16.87,53.721 17.074,53.721 ; 16.87,56.058 18.191,56.058 ; 16.87,57.277 17.378,57.277 ; 16.972,51.079 17.175,51.079 ; 16.972,55.956 18.09,55.956 ; 17.074,51.181 17.277,51.181 ; 17.074,53.01 17.175,53.01 ; 17.074,53.111 17.175,53.111 ; 17.074,53.213 17.277,53.213 ; 17.175,53.314 17.277,53.314 ; 17.175,53.416 18.191,53.416 ; 17.175,57.378 17.582,57.378 ; 17.277,50.266 17.48,50.266 ; 17.277,50.368 17.48,50.368 ; 17.277,50.47 17.48,50.47 ; 17.277,50.673 17.48,50.673 ; 17.277,50.774 17.48,50.774 ; 17.277,51.79 17.48,51.79 ; 17.277,51.892 17.378,51.892 ; 17.277,53.518 17.378,53.518 ; 17.277,53.619 17.48,53.619 ; 17.277,53.721 17.48,53.721 ; 17.277,54.127 17.48,54.127 ; 17.277,54.229 17.48,54.229 ; 17.277,54.33 17.48,54.33 ; 17.277,54.432 17.48,54.432 ; 17.277,54.534 17.48,54.534 ; 17.277,54.635 17.48,54.635 ; 17.277,54.737 17.48,54.737 ; 17.277,54.838 17.48,54.838 ; 17.277,54.94 17.48,54.94 ; 17.277,55.042 17.48,55.042 ; 17.277,55.143 17.48,55.143 ; 17.277,55.245 17.48,55.245 ; 17.277,55.346 17.48,55.346 ; 17.277,55.448 17.48,55.448 ; 17.378,51.689 17.48,51.689 ; 17.378,52.095 17.582,52.095 ; 17.378,52.197 17.582,52.197 ; 17.378,52.298 17.582,52.298 ; 17.378,52.4 17.582,52.4 ; 17.378,52.502 18.191,52.502 ; 17.378,52.603 17.582,52.603 ; 17.378,52.705 17.582,52.705 ; 17.378,52.806 17.582,52.806 ; 17.378,52.908 17.582,52.908 ; 17.378,53.01 18.09,53.01 ; 17.378,53.111 17.582,53.111 ; 17.378,53.213 17.582,53.213 ; 17.378,53.314 17.582,53.314 ; 17.378,57.48 17.886,57.48 ; 17.378,58.293 17.582,58.293 ; 17.378,58.394 17.582,58.394 ; 17.48,51.994 17.582,51.994 ; 17.582,51.079 17.785,51.079 ; 17.582,51.181 17.683,51.181 ; 17.683,50.978 17.886,50.978 ; 17.683,57.582 18.191,57.582 ; 17.785,58.09 18.191,58.09 ; 17.785,58.191 18.293,58.191 ; 17.886,50.774 17.988,50.774 ; 17.988,51.384 18.09,51.384 ; 17.988,51.486 18.09,51.486 ; 18.09,56.159 18.293,56.159 ; 18.09,56.261 18.293,56.261 ; 18.09,56.362 18.293,56.362 ; 18.09,56.464 18.293,56.464 ; 18.09,58.293 18.293,58.293 ; 18.09,58.394 18.293,58.394 ; 18.09,58.496 18.293,58.496 ; 18.09,58.598 18.293,58.598

## Polygon pours and split planes (outlines as drawn)
GND on Top Layer "Top Layer-No Net" (solid, remove dead copper, pour order 30): 0.1,60.1 0.1,0 79.8,0 79.9,0.1 79.9,60.1
GND on Top Layer "Top Layer-No Net" (solid, remove dead copper, pour order 6): 2,61 32,61 32,88 2,88
GND on Top Layer "Top Layer-No Net" (solid, remove dead copper, pour order 14): 48,88 48,61 78,61 78,88
GND on Bottom Layer "Top Layer-No Net" (solid, remove dead copper, pour order 32): 0,60 0,0.1 0.1,0 0.2,-0.1 79.9,-0.1 79.9,59.8 80.1,60
GND on Bottom Layer "Top Layer-No Net" (solid, remove dead copper, pour order 8): 2,61 31.9,61 32,61.1 32,88 2,88
GND on Bottom Layer "Top Layer-No Net" (solid, remove dead copper, pour order 16): 48,88 48,61 78,61 78,88

## Keep-outs
Keep-Out Layer:
  lines w0.254: 0,1.8 ccw(c1.8,1.8) 1.8,0 19,0 cw(c20,0) 20,1 35,1 cw(c35,0) 36,0 78.2,0 ccw(c78.2,1.8) 80,1.8 80,58.2 ccw(c78.2,58.2) 78.2,60 78,60 78,88 48,88 48,60 32,60 32,88 2,88 2,60 1.8,60 ccw(c1.8,58.2) 0,58.2 0,1.8 ; 2.8,60 2.8,61 31.2,61 31.2,60 2.8,60 ; 48.8,60 48.8,61 77.2,61 77.2,60 48.8,60

## Other copper
Top Layer:
  text "STM32" at 2.9,61.4 h2
  text "STC52" at 48.9,61.4 h2

## Silkscreen, mask and mechanical layers (free items; w line width, h text height)
Top Overlay:
  lines w0.254: 76.863,18.4 47,18.4 47,45.4 77,45.4 77,18.4
Bottom Overlay:
  drawing of 31317 lines, arcs and shapes, not listed
Top Solder:
  drawing of 930 lines, arcs and shapes, not listed
  text "STM32" at 2.9,61.4 h2
  text "STC52" at 48.9,61.4 h2

## Text inside footprints (layer, text, board x,y; h text height)
P7: Top Overlay "P33" at 50.73,4.67 h1.2; Top Overlay "P22" at 53.23,4.67 h1.2; Top Overlay "P24" at 55.73,4.77 h1.2; Top Overlay "P26" at 58.33,4.67 h1.2; Top Overlay "P07" at 60.83,4.67 h1.2; Top Overlay "P05" at 63.33,4.67 h1.2; Top Overlay "P03" at 65.83,4.67 h1.2; Top Overlay "P01" at 68.43,4.67 h1.2; Top Overlay "VCC" at 70.93,4.67 h1.2; Top Overlay "VCC" at 70.93,5.87 h1.2; Top Overlay "PB14" at 68.13,5.87 h1.2; Top Overlay "PB12" at 65.63,5.87 h1.2; Top Overlay "PB10" at 63.03,5.87 h1.2; Top Overlay "PB0" at 60.83,5.87 h1.2; Top Overlay "PA6" at 58.33,5.87 h1.2; Top Overlay "PA4" at 55.73,5.87 h1.2; Top Overlay "PA2" at 53.23,5.87 h1.2; Top Overlay "PA0" at 50.73,5.87 h1.2; Top Overlay "P21" at 52.13,14.07 h1.2 r180; Top Overlay "P23" at 54.73,14.07 h1.2 r180; Top Overlay "P25" at 57.23,14.07 h1.2 r180; Top Overlay "P27" at 59.83,14.07 h1.2 r180; Top Overlay "P06" at 62.43,14.07 h1.2 r180; Top Overlay "P04" at 64.93,14.07 h1.2 r180; Top Overlay "P02" at 67.43,14.07 h1.2 r180; Top Overlay "P00" at 69.93,14.07 h1.2 r180; Top Overlay "PA1" at 52.13,12.97 h1.2 r180; Top Overlay "PA3" at 54.73,12.97 h1.2 r180; Top Overlay "PA5" at 57.23,12.97 h1.2 r180; Top Overlay "PA7" at 59.83,12.97 h1.2 r180; Top Overlay "PB1" at 62.33,12.87 h1.2 r180; Top Overlay "PB11" at 65.136,12.926 h1.2 r180; Top Overlay "PB13" at 67.676,12.926 h1.2 r180; Top Overlay "PB15" at 70.23,12.97 h1.2 r180; Top Overlay "GND" at 72.53,14.07 h1.2 r180; Top Overlay "GND" at 72.53,12.87 h1.2 r180
P11: Top Overlay "P20" at 50.69,47.83 h1.2; Top Overlay "P16" at 53.19,47.83 h1.2; Top Overlay "P14" at 55.69,47.83 h1.2; Top Overlay "P12" at 58.29,47.83 h1.2; Top Overlay "P10" at 60.79,47.83 h1.2; Top Overlay "P35" at 63.29,47.83 h1.2; Top Overlay "P34" at 65.79,47.83 h1.2; Top Overlay "P31" at 68.39,47.83 h1.2; Top Overlay "VCC" at 70.89,47.83 h1.2; Top Overlay "VCC" at 70.89,49.03 h1.2; Top Overlay "PA9" at 68.39,49.03 h1.2; Top Overlay "PA11" at 65.69,49.03 h1.2; Top Overlay "JTMS" at 62.99,49.03 h1.2; Top Overlay "JTDI" at 60.59,49.03 h1.2; Top Overlay "JTRST" at 57.79,49.03 h1.2; Top Overlay "PB6" at 55.69,49.03 h1.2; Top Overlay "PB8" at 53.19,49.03 h1.2; Top Overlay "PC13" at 50.39,49.03 h1.2; Top Overlay "P17" at 52.09,57.23 h1.2 r180; Top Overlay "P15" at 54.69,57.23 h1.2 r180; Top Overlay "P13" at 57.19,57.23 h1.2 r180; Top Overlay "P36" at 62.29,57.23 h1.2 r180; Top Overlay "P37" at 64.79,57.23 h1.2 r180; Top Overlay "P30" at 67.29,57.23 h1.2 r180; Top Overlay "P32" at 69.89,57.23 h1.2 r180; Top Overlay "PB9" at 52.09,56.13 h1.2 r180; Top Overlay "PB7" at 54.69,56.13 h1.2 r180; Top Overlay "PB5" at 57.19,56.13 h1.2 r180; Top Overlay "JTDO" at 60.09,56.13 h1.2 r180; Top Overlay "JTCK" at 62.59,56.13 h1.2 r180; Top Overlay "PA12" at 65.09,56.13 h1.2 r180; Top Overlay "PA10" at 67.59,56.13 h1.2 r180; Top Overlay "PA8" at 69.89,56.13 h1.2 r180; Top Overlay "NRST" at 72.8,57.3 h1.2 r180; Top Overlay "GND" at 72.49,56.13 h1.2 r180